# KiCad board for_real_486_rc13.kicad_pcb (continued)
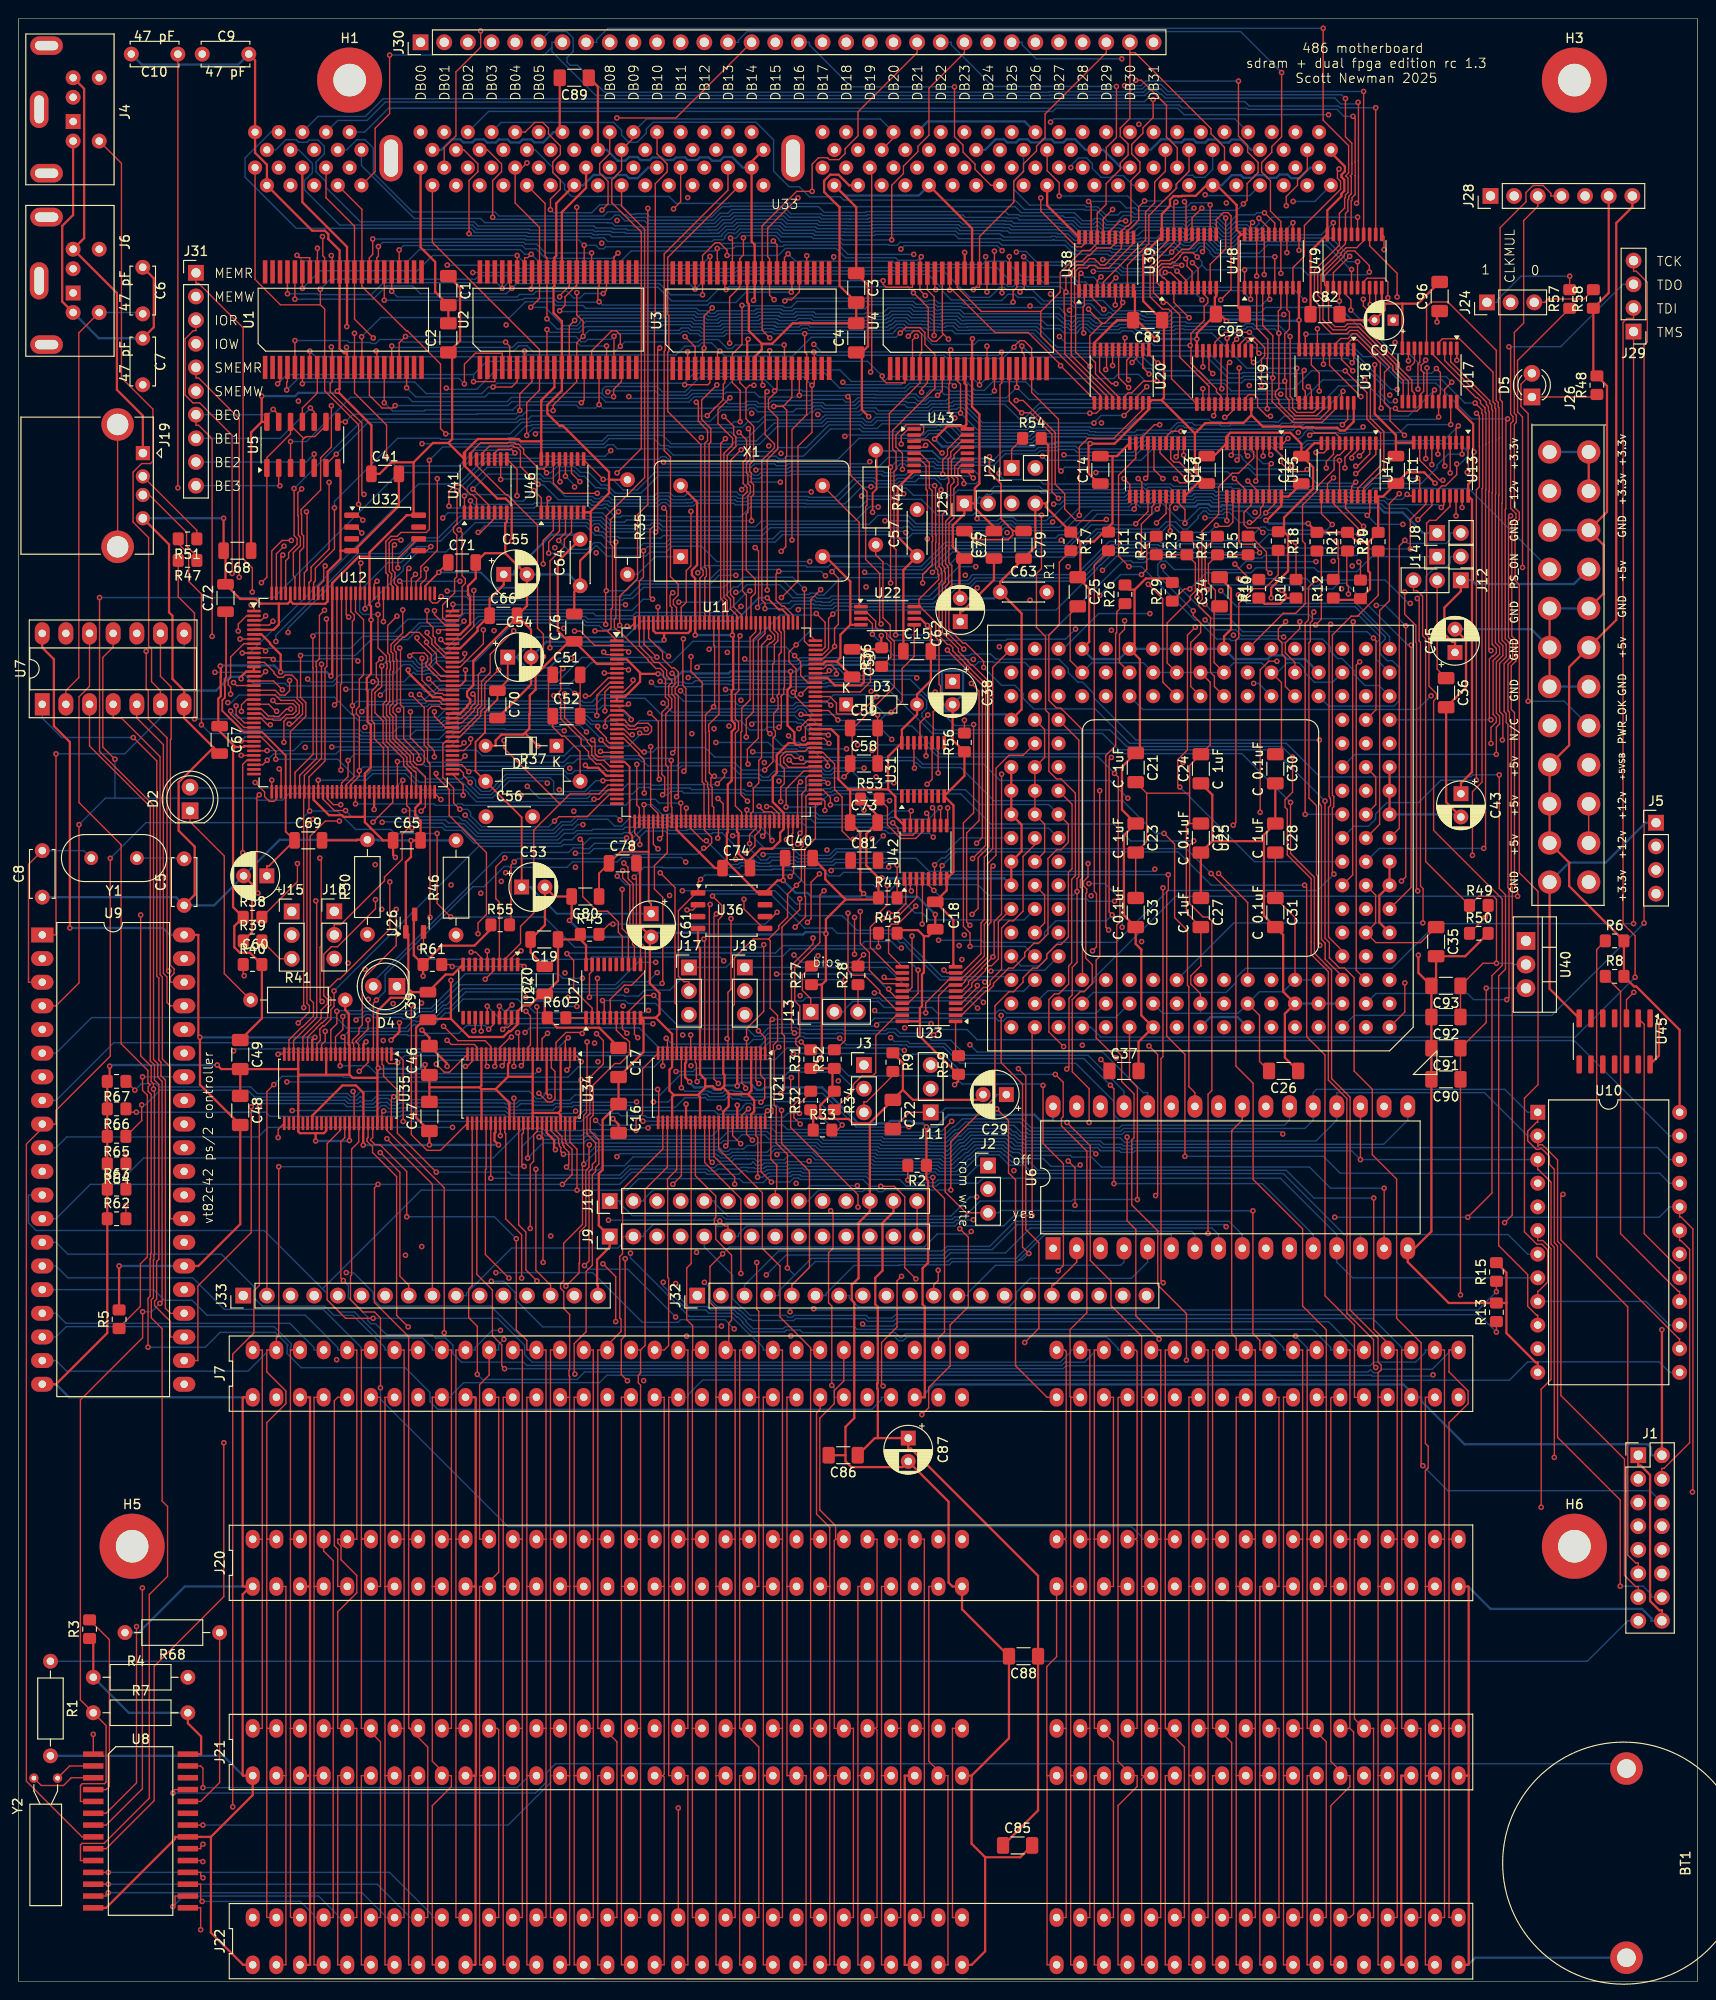
[diagram p0: board, top side]
## Routing (per net, layer and track width the routed paths; a pad name or vN(x,y) marks a point on that pad's centre or on a via; arc(x,y) is an arc through that point) (continued)
DB43: length 115.3
  Top w0.15: v1(141.84,194.68) 141.68,194.51 141.68,193.68 142.01,193.34 142.01,192.48 138.12,188.59 138.12,185.31 136.89,184.08 U48.9
  In2.Cu w0.15: v1(141.84,194.68) 142.01,194.84 142.01,199.2 v1(140.72,200.5)
  Bottom w0.15: U33.99 50.48,200.85 111.08,200.85 111.42,201.2 124.51,201.2 125.22,200.5 v1(140.72,200.5)
DB44: length 100.9
  Top w0.15: U33.100 50.37,196.72 51.88,195.21 51.88,194.39 50.92,193.43 v1(50.92,189.48) ; U48.12 v1(136.89,188.9)
  Bottom w0.15: v1(50.92,189.48) 51.14,189.26 63.6,189.26 64.05,189.72 64.53,189.72 65.15,189.1 66.47,189.1 66.5,189.13 67.21,189.13 67.53,188.81 73.92,188.81 73.93,188.82 74.75,188.82 75.51,189.57 76.35,189.57 76.75,189.97 82.34,189.97 82.81,189.5 86.05,189.5 86.24,189.31 89.27,189.31 89.29,189.29 91.24,189.29 91.33,189.39 101.27,189.39 101.55,189.11 105.99,189.11 106.04,189.06 106.68,189.06 106.9,188.84 111.98,188.84 112.06,188.76 113.14,188.76 113.84,188.06 115.78,188.06 115.85,188.13 115.91,188.13 116.4,187.63 117.96,187.63 118.05,187.54 118.15,187.54 118.24,187.46 119.59,187.46 119.68,187.55 119.7,187.52 120.23,187.52 120.78,188.08 124.83,188.08 125.18,187.72 125.28,187.72 125.29,187.71 125.33,187.71 125.54,187.5 125.58,187.5 126.21,188.12 128.14,188.12 129.19,187.08 130.1,187.08 130.14,187.03 130.23,187.03 131.18,187.98 131.69,187.98 132.03,187.64 133.09,187.64 133.11,187.66 133.3,187.66 133.59,187.95 135.95,187.95 v1(136.89,188.9)
DB45: length 96.4
  Top w0.15: 134.94,187.65 134.94,188.85 v1(133.83,189.97)
  Bottom w0.15: v1(133.83,189.97) 133.02,189.97 132.8,189.74 130.88,189.74 130.32,189.18 130.32,189.1 129.77,188.55 129.7,188.55 128.73,189.53 125.62,189.53 125.5,189.4 125.41,189.48 119.73,189.48 119.54,189.67 118.68,189.67 118.05,189.04 116.99,189.04 115.77,190.25 114.55,190.25 114.48,190.33 108.03,190.33 107.03,191.33 88.63,191.33 88.27,191.69 84.95,191.69 83.88,192.76 82.77,192.76 81.1,194.43 81.1,197.8 79.21,199.69 68.15,199.69 67.43,198.97 67.43,198.53 66.44,197.53 65.55,197.53 64.77,198.31 64.77,198.83 63.93,199.67 51.84,199.67 U33.101
DB46: length 98.1
  Top w0.15: v1(57.13,190.3) 57.13,191.42 58.19,192.48 58.19,193.51 57.38,194.32 57.38,195.42 58.19,196.23 58.19,197.15 56.92,198.43 56.92,199.06 56.31,199.67 55.45,199.67 54.41,198.63 U33.103 ; v1(133.24,189.37) 134.3,188.31 U48.16
  Bottom w0.15: v1(57.13,190.3) 57.46,189.97 61.56,189.97 62.42,190.83 64.67,190.83 65.7,189.8 66.18,189.8 66.24,189.86 67.48,189.86 67.81,189.52 74.46,189.52 75.56,190.62 76.41,190.62 76.46,190.67 82.63,190.67 82.68,190.62 85.92,190.62 86.53,190.01 89.56,190.01 89.58,189.99 90.94,189.99 91.04,190.09 106.01,190.09 106.33,189.77 107.42,189.77 107.56,189.62 112.19,189.62 112.35,189.46 113.43,189.46 114.13,188.76 115.48,188.76 115.72,189 116.04,189 116.7,188.33 118.25,188.33 118.34,188.25 118.45,188.25 118.53,188.16 119.3,188.16 119.41,188.27 119.58,188.27 120.09,188.78 125.12,188.78 125.47,188.43 125.52,188.43 125.92,188.83 128.43,188.83 129.48,187.78 129.99,187.78 130.89,188.68 131.98,188.68 132.32,188.34 132.8,188.34 133.24,188.79 v1(133.24,189.37)
DB47: length 84.9
  Top w0.15: v1(132.56,188.92) 132.34,188.71 U48.19
  Bottom w0.15: v1(132.56,188.92) 132.44,189.04 130.75,189.04 130.67,188.96 129.84,188.13 129.63,188.13 128.58,189.18 125.77,189.18 125.5,188.9 125.27,189.13 119.77,189.13 119.15,188.51 118.68,188.51 118.59,188.6 118.49,188.6 118.4,188.69 116.84,188.69 116.18,189.35 115.57,189.35 115.34,189.11 114.28,189.11 113.42,189.98 107.71,189.98 107.06,190.62 88.18,190.62 87.83,190.98 82.82,190.98 82.77,191.03 76.31,191.03 76.26,190.98 70.62,190.98 69.87,191.72 59.39,191.72 58.65,192.47 58.65,193 57.38,194.27 57.38,194.83 55.48,196.72 U33.104
DB48: length 38.8
  Top w0.15: v1(124.94,184.32) 124.93,184.31 124.11,184.31 123.88,184.08 123.57,184.08 123.51,184.13 122.95,184.13 122.61,183.79 122.61,183.32 122.95,182.98 123.04,182.98 123.45,182.56 U39.2
  In2.Cu w0.15: U33.139 104.14,196.33 103.06,195.25 103.06,194.23 103.96,193.33 103.96,188.97 v1(107.18,185.75)
  Bottom w0.15: v1(124.94,184.32) 124.78,184.48 122.8,184.48 122.29,183.97 118.7,183.97 118.18,184.49 116.82,184.49 116.7,184.37 116.22,184.37 115.91,184.68 109.35,184.68 108.2,185.82 107.25,185.82 v1(107.18,185.75)
DB49: length 33.1
  Top w0.15: v1(124.44,183.69) 125.4,182.73 U39.5
  In2.Cu w0.15: v1(107.97,185.24) 107.97,185.78 104.37,189.38 104.37,193.38 105.41,194.42 U33.140
  Bottom w0.15: v1(107.97,185.24) 108.88,184.33 115.76,184.33 116.07,184.02 116.84,184.02 116.84,184.02 117.39,184.02 117.42,184.05 118.12,184.05 118.55,183.62 122.45,183.62 122.61,183.78 122.61,183.79 122.95,184.13 124,184.13 v1(124.44,183.69)
DB50: length 30.4
  Top w0.15: v1(125.37,185.05) 125.52,184.9 125.52,184.22 126.05,183.68 U39.6
  In1.Cu w0.15: U33.141 106.68,196.37 107.72,195.33 107.72,194.81 108.78,193.74 109.73,193.74 109.96,193.97 110.93,193.97 111.76,193.15 111.76,192.69 120.13,184.32 124.12,184.32 124.85,185.05 v1(125.37,185.05)
DB51: length 37.2
  Top w0.15: U39.9 128,184.43 129.67,186.09 v1(129.67,189.41)
  Bottom w0.15: U33.142 107.95,194.46 106.91,193.42 106.91,192.47 108.6,190.79 114.52,190.79 114.7,190.61 115.92,190.61 116.8,189.72 118.07,189.72 118.41,190.07 119.65,190.07 119.88,189.83 125.43,189.83 125.48,189.88 129.19,189.88 v1(129.67,189.41)
DB52: length 25.7
  Top w0.15: U39.12 v1(128,190.81) ; v1(111.78,191.77) 111.78,193.19 110.49,194.48 U33.144
  Bottom w0.15: v1(128,190.81) 127.78,191.04 125.94,191.04 125.49,190.59 125.19,190.59 125.14,190.54 123.98,190.54 123.86,190.66 120.26,190.66 119.15,191.77 v1(111.78,191.77)
DB53: length 41.1
  Top w0.15: v1(131.58,190.93) 131.97,191.32 131.97,193.1 133.15,194.28 133.15,195.38 132.02,196.51 132.02,197.21 131.04,198.19 v1(131.04,204.11) ; U39.15 126.05,189.42 v1(127.1,190.46)
  In2.Cu w0.15: v1(118.8,203.62) 118.8,200.59 U33.149
  Bottom w0.15: v1(127.1,190.46) 127.32,190.23 130.89,190.23 v1(131.58,190.93) ; v1(118.8,203.62) 120.57,203.62 121.05,204.11 v1(131.04,204.11)
DB54: length 13.7
  Top w0.15: U39.16 125.4,191 v1(125.24,191.16)
  In1.Cu w0.15: U33.150 118.97,196.72 120.81,194.88 120.81,194.42 121.69,193.54 121.69,192.88 122.82,191.75 124.65,191.75 v1(125.24,191.16)
DB55: length 23.4
  Top w0.15: v1(121.43,184.93) 123.45,186.95 U39.19
  In2.Cu w0.15: v1(116.46,184.94) 116.94,185.43 116.94,191.22 117,191.27 117,193.27 118.18,194.45 118.18,195.13 119.38,196.33 U33.151
  Bottom w0.15: v1(116.46,184.94) 121.42,184.94 v1(121.43,184.93)
DB56: length 33.3
  Top w0.15: v1(114.41,177.05) 114.36,177.11 114.36,179.85 114.48,179.97 114.48,181.51 114.57,181.6
  In1.Cu w0.15: v1(120.34,199.48) 121.07,199.48 U33.153
  In2.Cu w0.15: v1(120.34,199.48) 120.11,199.71 119,199.71 118.23,198.95 118.23,198.51 116.65,196.92 116.65,196.09 115.8,195.25 115.8,194.35 116.63,193.52 116.63,191.4 114.7,189.47 114.7,180.19 114.36,179.85 114.36,177.11 v1(114.41,177.05)
DB57: length 17.9
  Top w0.15: U38.5 116.52,182.51 121.06,187.06 121.06,190.05 122.04,191.03 122.04,193.28 123.19,194.43 U33.154
DB58: length 20.3
  Top w0.15: 117.17,181.6 117.17,182.27 v1(117.88,182.98)
  In2.Cu w0.15: U33.155 124.46,196.48 123.4,195.43 123.4,194.68 122.15,193.43 122.15,192.9 121.12,191.87 120.77,191.87 120.36,191.46 120.36,185.46 v1(117.88,182.98)
DB59: length 17.9
  Top w0.15: U33.156 125.73,194.42 124.34,193.03 124.34,192.58 121.41,189.66 121.41,186.65 119.11,184.36 U38.9
DB60: length 16
  Top w0.15: v1(120.95,191.24) 120.33,190.61 120.33,189.19 119.11,187.98 U38.12
  Bottom w0.15: v1(120.95,191.24) 123.04,191.24 124.43,192.63 124.43,193.09 125.35,194.01 126.11,194.01 126.34,193.78 127.43,193.78 128.27,194.62 U33.158
DB61: length 22.9
  Top w0.15: v1(118.92,189.09) 118.31,189.09 117.17,187.95 117.17,187.32
  In1.Cu w0.15: v1(118.92,189.09) 127.81,189.09 v1(129.74,191.02)
  In2.Cu w0.15: U33.159 129.77,198.4 129.77,196.25 130.59,195.43 130.59,194.26 129.74,193.41 v1(129.74,191.02)
DB62: length 21
  Top w0.15: U38.16 116.52,189.32 v1(117.52,190.32)
  In1.Cu w0.15: v1(117.52,190.32) 125.22,190.32 126.04,191.14 127.51,191.14 127.76,191.39 128.23,191.39 129.33,192.49 129.33,193.1 130.63,194.39 130.63,196.54 U33.160
DB63: length 42.4
  Top w0.15: 114.57,187.32 114.57,186.7 114.18,186.31 113.65,186.31 109.81,190.16 v1(109.81,191.56)
  In2.Cu w0.15: v1(110.85,199.7) 108.78,199.7 108.15,199.07 108.15,198.06 109.02,197.19 109.02,196.13 108.14,195.25 108.14,194.23 109.1,193.28 109.1,192.27 v1(109.81,191.56)
  Bottom w0.15: v1(110.85,199.7) 111.2,200.05 130.65,200.05 U33.161
DQMB0: length 68.8
  Top w0.15: U12.82 47.39,134.18 49.3,136.09 49.3,136.59 49.73,137.02 49.73,139.64 50.66,140.57 50.66,142.54 v1(53.19,145.07)
  In1.Cu w0.15: U33.28 63.5,189.93 v1(64.29,189.14)
  In2.Cu w0.15: v1(53.19,145.07) 53.19,153.47 56.38,156.66 56.38,159.52 56.57,159.71 56.57,161.06 61.73,166.22 61.73,169.94 62.52,170.72 62.52,176.8 63.81,178.09 63.81,186.04 64.29,186.52 v1(64.29,189.14)
DQMB1: length 69
  Top w0.15: U12.83 45.85,134.68 44.66,135.87 v1(44.66,136.38)
  In2.Cu w0.15: U33.29 67.25,192.91 63.71,189.38 63.71,188.9 63.81,188.8 63.81,186.54 63.46,186.19 63.46,178.23 61.03,175.81 61.03,168.72 50.3,158 50.3,147.43 44.84,141.97 44.84,136.55 v1(44.66,136.38)
DQMB2: length 87.1
  Top w0.15: U33.46 91.65,194.61 91.65,172.98 v1(91.52,172.86) ; U12.84 47.62,135.18 48.95,136.52 48.95,136.74 49.38,137.16 49.38,140.37 v1(49.88,140.87)
  In1.Cu w0.15: v1(91.52,172.86) 89.5,170.83 88.87,170.83 88.48,170.44 88.48,169.32 74.75,155.58 70.4,155.58 67.55,152.73 66.74,152.73 66.72,152.75 64.95,152.75 64.55,152.35 64.05,152.35 63.78,152.07 63.23,152.07 62.88,151.72 59.86,151.72 54.28,146.14 52.12,146.14 v1(51.08,145.09)
  In2.Cu w0.15: v1(51.08,145.09) 51.08,142.06 v1(49.88,140.87)
DQMB3: length 87.6
  Top w0.15: v1(48.8,138.28) 49.03,138.05 49.03,137.31 48.6,136.88 48.6,136.71 47.57,135.68 U12.85
  In1.Cu w0.15: v1(85.85,168.29) 83.06,165.51 80.34,165.51 80,165.17 80,165.1 77.36,162.45 70.45,162.45 66.85,158.85 62.73,158.85 59.25,155.37 59.25,155.15 58.09,153.99 v1(57.6,153.99)
  In2.Cu w0.15: U33.47 90.71,188.37 90.71,182.13 87.96,179.38 87.96,170.4 v1(85.85,168.29) ; v1(57.6,153.99) 57.6,147.24 53.67,143.31 53.67,141.32 50.63,138.28 v1(48.8,138.28)
DQMB_HIGH: length 126.4
  Top w0.15: U33.113 66.04,197.99 U33.112 64.77,194.55 63.72,193.5 63.72,191.05 66.89,187.88 66.89,164.63 v1(64.28,162.03) ; v1(40.93,143.21) 41.02,143.12 41.02,137.14 41.37,136.79 41.37,133.45 43,131.83 v1(43,131.27) ; U33.131 93.98,197.99 U33.130 ; U12.87 45.46,136.68 45.18,136.96 44.37,136.96 43.98,136.57 43.98,132.85 44.66,132.17 v1(44.66,131.53)
  In1.Cu w0.15: v1(40.93,143.21) 40.93,143.35 43.87,146.29 46.62,146.29 48.09,147.75 48.67,147.75 50.98,150.05 53.03,150.05 53.33,150.35 53.33,151.82 62.24,160.73 63.02,160.73 64.28,161.99 v1(64.28,162.03) ; v1(43,131.27) 43.26,131.53 v1(44.66,131.53)
  Bottom w0.15: U33.131 92.57,200.04 67.45,200.04 U33.113
dram0_en: length 146.7
  Top w0.15: v1(66.41,130.72) 66.41,126.35 66.68,126.08 U11.38 ; v1(42.09,136.37) 42.09,133.57 43.57,132.09 43.57,130.97 43.3,130.69 42.76,130.69 42.42,131.03 42.42,131.75 40.56,133.61 40.56,135.97 40.56,135.97 40.22,136.31 40.22,136.79 40.64,137.21 40.64,141.95 40.56,142.03 40.56,142.77 40.36,142.97 40.36,143.45 41.26,144.35 41.44,144.35 41.98,144.89 43.02,144.89 43.82,144.1 v1(43.82,143.84) 43.82,143.63 44.88,142.57 44.88,141.63 45.83,140.68 U12.95
  In1.Cu w0.15: v1(66.41,130.72) 62.98,130.72 60.59,133.11 60.59,133.2 58.14,135.66 42.8,135.66 v1(42.09,136.37) ; v1(43.82,143.84) 44.12,143.54 46.1,143.54 51.18,148.61 54.39,148.61 58.55,152.78 62.27,152.78 62.92,153.43 64.14,153.43 67.37,156.66 73.21,156.66 77.65,161.11 78.79,161.11 81.8,164.12 v1(81.89,164.12)
  In2.Cu w0.15: v1(81.89,164.12) 81.89,166.29 83.61,168 83.61,168.5 86.15,171.05 86.15,171.79 86.43,172.07 86.43,193.18 87.75,194.51 87.75,195.21 89.26,196.72 U33.128
dram_A00: length 51
  Top w0.15: v1(78.39,166.77) 78.55,166.61 78.55,163.44 78.35,163.24 78.35,163.23 78.19,163.06 78.19,162.04 78.34,161.88 78.34,160.87 78.6,160.61 78.6,159.84 78.34,159.58 78.34,157.8 78.16,157.61 78.16,151.59 79.14,150.61 79.14,149.11 78.68,148.66 U11.119
  In2.Cu w0.15: U33.33 72.45,192.86 72.45,183.11 74.16,181.4 74.16,180.21 73.94,179.99 73.94,175.94 74.21,175.66 74.21,171.43 77.54,168.1 77.75,168.1 78.09,167.77 78.09,167.08 v1(78.39,166.77)
dram_A01: length 58.7
  Top w0.15: U11.120 78.18,148.92 77.77,149.33 77.77,159.51 78.25,159.99 78.25,160.47 77.83,160.89 77.83,163.22 78.2,163.59 78.2,165.56 v1(77.39,166.37)
  In1.Cu w0.15: v1(71.87,191.59) 71.31,192.15 71.31,193.41 72.5,194.6 72.5,195.37 73.43,196.3 73.43,197.27 72.07,198.63 U33.117
  In2.Cu w0.15: v1(71.87,191.59) 71.87,177.19 72.79,176.27 72.79,172.03 76.43,168.39 76.43,167.33 v1(77.39,166.37)
dram_A02: length 55.1
  Top w0.15: v1(77.62,164.52) 76.47,163.37 76.47,148.96 76.81,148.62 76.81,148.62 76.83,148.61 76.83,147.61 77.68,146.76 U11.121 ; U33.34 71.12,191.15 v1(70.35,190.38)
  In1.Cu w0.15: v1(73.35,165.82) 74.65,164.52 v1(77.62,164.52)
  In2.Cu w0.15: v1(73.35,165.82) 70.15,169.02 70.15,190.17 v1(70.35,190.38)
dram_A03: length 57.7
  Top w0.15: v1(75.76,168.09) 76.82,167.03 76.82,166.13 77.05,165.9 77.05,164.86 76.12,163.93 76.12,148.81 76.47,148.46 76.47,147.41 77.18,146.7 U11.122
  In2.Cu w0.15: v1(75.76,168.09) 75.1,168.75 72.8,168.75 70.54,171.01 70.54,176.94 70.94,177.34 70.94,193.33 70.04,194.23 70.04,195.25 71.52,196.72 U33.118
dram_A04: length 49.5
  Top w0.15: v1(76.41,170.09) 75.13,168.81 75.13,167.32 76.7,165.76 76.7,165.05 75.77,164.13 75.77,148.67 76.12,148.31 76.12,145.98 U11.124
  In2.Cu w0.15: U33.35 74.93,187.07 75.62,186.37 75.62,185.72 75.42,185.52 75.42,181.48 75.43,181.47 75.43,180.15 75.44,180.13 75.44,176.08 76.4,175.12 76.4,170.09 v1(76.41,170.09)
dram_A05: length 59.9
  Top w0.15: v1(75.93,165.71) 75.42,165.2 75.42,148.52 75.67,148.27 75.67,145.93 U11.125
  In2.Cu w0.15: U33.119 74.61,198.63 76.32,196.92 76.32,196.36 77.27,195.41 77.27,194.18 76.19,193.1 76.19,187.77 75.9,187.48 75.9,186.85 76.68,186.06 76.68,185.14 76.58,185.05 76.58,181.48 76.39,181.29 76.39,176.76 76.95,176.2 76.95,175.72 76.75,175.52 76.75,170.78 76.99,170.55 76.99,169.66 77.94,168.71 77.94,168.41 78.44,167.91 78.44,167.54 78.97,167.01 78.97,166.54 78.63,166.2 78.17,166.2 77.68,165.71 v1(75.93,165.71)
dram_A06: length 51
  Top w0.15: v1(75.01,171.48) 73.38,169.85 73.38,167.77 74.36,166.8 74.36,165.35 74.18,165.17 74.18,151.89 74.24,151.84 74.24,145.97 U11.128
  In2.Cu w0.15: v1(75.01,171.48) 74.69,171.79 74.69,175.75 75.09,176.15 75.09,179.99 74.87,180.21 74.87,185.5 73.66,186.71 U33.36
dram_A07: length 54.6
  Top w0.15: U11.129 73.71,145.95 73.71,150.75 73.88,150.92 73.88,151.69 73.71,151.86 73.71,165.2 74.01,165.5 74.01,166.58 73.02,167.57 73.02,169.4 v1(72.8,169.62)
  In2.Cu w0.15: v1(72.8,169.62) 72.61,169.62 70.95,171.29 70.95,171.75 71,171.81 71,176.9 71.29,177.19 71.29,193.44 72.27,194.41 72.27,194.93 74.06,196.72 U33.120
dram_A08: length 52
  Top w0.15: U33.37 69.73,185.18 69.73,179.05 69.85,178.93 69.85,175.1 69.73,174.98 69.73,168.62 73.29,165.06 73.29,151.79 73.53,151.55 73.53,151.07 73.18,150.72 U11.130
dram_A09: length 60.6
  Top w0.15: U11.134 71.18,147.59 71.72,148.13 71.72,151.53 72.22,152.03 v1(72.22,157.89)
  In2.Cu w0.15: v1(72.22,157.89) 72.22,159.93 77.6,165.31 78.24,165.31 79.32,166.39 79.32,167.16 79.09,167.39 79.09,167.95 79.33,168.18 79.33,168.79 77.73,170.38 77.73,170.88 77.57,171.03 77.57,171.04 77.46,171.15 77.46,175.23 77.66,175.43 77.66,177.78 77.13,178.31 77.13,180.26 77.22,180.35 77.22,181.13 78.44,182.34 78.44,191.98 78.54,192.07 78.54,193.37 77.67,194.23 77.67,195.4 78.54,196.27 78.54,197.31 77.22,198.63 U33.121
dram_A10: length 52.8
  Top w0.15: U11.135 70.68,147.56 70.34,147.9 70.34,148.38 70.85,148.89 70.85,150.07 70.03,150.89 70.03,163.74 69.35,164.42 69.35,175.09 69.45,175.2 69.45,178.69 69.35,178.8 69.35,185.54 76.2,192.4 U33.38
dram_A11: length 59.9
  Top w0.15: v1(70.27,149.16) 69.99,148.87 69.99,147.76 70.18,147.56 U11.136
  In2.Cu w0.15: v1(70.27,149.16) 70.27,149.76 70.01,150.02 70.01,154.4 79.65,164.04 79.65,165.32 79.67,165.33 79.67,167.31 79.44,167.53 79.44,167.8 79.68,168.04 79.68,168.99 78.21,170.47 78.21,170.9 77.81,171.3 77.81,174.93 79.06,176.18 79.06,179.15 79.7,179.78 79.52,179.96 79.52,188.72 78.89,189.35 78.89,193.34 79.81,194.26 79.81,195.33 78.89,196.24 78.89,198.48 U33.123
dram_A12: length 62.6
  Top w0.15: U11.137 69.62,145.98 69.62,157.93 v1(69.3,158.25)
  In1.Cu w0.15: v1(69.3,158.25) 70.26,157.29 72.94,157.29 v1(80.58,164.93)
  In2.Cu w0.15: U33.126 86.61,196.72 85.22,195.33 85.22,193.17 84.58,192.53 84.58,186.95 83.58,185.95 83.58,171.85 81.7,169.97 81.7,168.31 80.58,167.19 v1(80.58,164.93)
DRQ0: length 65.1
  Top w0.15: J20.71 130.8,42.42 ; 130.8,22.1 130.8,42.42 130.8,42.42 ; 130.8,22.1 130.8,1.78 J22.71 ; 130.8,22.1 J21.71 ; 130.8,42.42 130.8,62.74 J7.71
DRQ1: length 176.4
  Top w0.15: J21.18 69.21,22.1 ; J7.18 69.35,62.74 69.35,42.42 ; 69.21,22.1 69.35,21.95 69.35,1.78 J22.18 ; 69.21,22.1 69.35,22.24 69.35,42.42 ; v1(68.82,129.11) 68.72,129.21 68.72,135.31 v1(67.8,136.23) ; 69.35,42.42 J20.18 ; U46.12 v1(58.75,161.67)
  In2.Cu w0.15: v1(67.8,136.23) 67.31,136.72 67.31,152.65 59.72,160.24 v1(59.72,160.52) ; v1(68.82,129.11) 68.6,128.88 68.6,123.94 67.67,123.01 67.67,122.71 67.79,122.59 67.79,122.31 67.75,122.26 67.75,121.74 67.49,121.49 67.49,120.16 67.17,119.84 67.17,118.18 66.16,117.17 66.16,107.88 66.24,107.79 66.24,106 66.18,105.94 66.18,105.9 65.98,105.71 65.98,105.41 66.05,105.34 66.05,105.28 66.03,105.26 66.03,104.83 64.77,103.56 64.77,103.13 64.41,102.78 64.41,92.08 63.52,91.18 63.52,90.89 63.64,90.77 63.64,89.44 63.35,89.14 63.35,86.3 61.97,84.93 61.97,82.16 62.32,81.81 62.32,78.83 64.32,76.84 64.32,71.51 64.72,71.11 64.72,66.11 67.3,63.53 67.3,62.74 J7.18
  Bottom w0.15: v1(58.75,161.67) 59.72,160.69 v1(59.72,160.52)
DRQ2: length 179.9
  Top w0.15: J21.6 36.82,22.1 36.82,1.78 J22.6 ; J7.6 38.87,62.74 38.87,42.42 J20.6 ; v1(58.16,161.08) 58.09,161.15 U46.13
  In2.Cu w0.15: J7.6 36.82,62.74 36.82,70.11 35.7,71.24 35.7,75.81 35.77,75.89 35.77,89.73 36.92,90.88 36.92,97.23 39.79,100.11 40.39,100.11 41,100.72 41,101.17 45.15,105.31 45.15,118.41 49.13,122.39 49.13,125.54 51.27,127.68 51.27,130.61 53.45,132.79 53.45,137.42 59.14,143.11 59.14,160.11 v1(58.16,161.08) ; J20.6 36.82,42.42 36.82,22.1 J21.6
DRQ3: length 181.8
  Top w0.15: U46.14 57.44,160.93 58.54,159.83 v1(62.16,159.83) ; J22.16 62.22,1.78 62.22,22.1 J21.16 ; v1(70.2,140.5) 70.51,140.18 70.51,139.35 70.18,139.02 70.18,138.25 70.51,137.92 70.51,132.2 v1(70.26,131.94)
  In2.Cu w0.15: J21.16 64.27,22.1 64.27,42.42 ; J20.16 64.27,42.42 ; 64.27,42.42 64.27,61.29 62.82,62.74 ; 62.82,62.74 62.22,62.74 62.22,70.26 63.42,71.46 63.42,75.57 61.62,77.37 61.62,81.52 61.27,81.87 61.27,85.22 62.64,86.59 62.64,89.43 62.87,89.66 62.87,90.54 62.82,90.6 62.82,91.47 62.87,91.53 62.87,91.87 63.06,92.06 63.06,92.12 62.91,92.28 62.91,93.05 63.23,93.36 63.23,97.96 63.51,98.25 63.51,99.44 63.5,99.45 63.5,99.76 63.71,99.97 63.71,103.07 63.77,103.12 63.77,103.56 64.39,104.18 64.39,104.5 64.36,104.53 64.36,105.05 64.72,105.42 65.16,105.42 65.89,106.15 65.89,107.13 65.8,107.21 65.8,117.31 66.82,118.33 66.82,121.31 67.39,121.89 67.39,122.41 67.4,122.42 67.4,122.48 67.32,122.57 67.32,124.69 68.25,125.62 68.25,130.19 70,131.94 v1(70.26,131.94) ; 62.82,62.74 J7.16 ; v1(62.16,159.83) 62.16,159.32 64.47,157.01 65.11,157.01 68.05,154.07 68.05,151.48 69.69,149.84 69.69,146.95 70.42,146.23 70.42,140.72 v1(70.2,140.5)
DRQ5: length 230.8
  Top w0.15: J21.73 135.88,22.1 ; 135.88,22.1 135.88,42.42 ; 135.88,22.1 135.88,1.78 J22.73 ; v1(56.94,153.4) 56.94,154.61 58.09,155.76 U46.4 ; 135.88,42.42 135.88,42.42 135.88,62.74 J7.73 ; 135.88,42.42 J20.73 ; v1(117.73,129.75) 118.13,129.35 118.13,116.44 118.31,116.26 118.31,113.8 117.97,113.46 117.97,99.95 118.49,99.43 118.49,96.66 119.82,95.33 119.82,90.61 119.58,90.37 119.58,83.4 122.37,80.62 122.37,74.8 125.45,71.71 v1(125.45,66.72)
  In1.Cu w0.15: J7.73 135.88,62.74 135.88,62.99 134.3,64.57 127.61,64.57 v1(125.45,66.72)
  In2.Cu w0.15: v1(90.12,132.81) 89.88,132.81 86.27,136.42 86.27,147.16 84.99,148.44 v1(84.99,152.5)
  Bottom w0.15: v1(90.12,132.81) 97.47,132.81 98.76,131.52 115.96,131.52 v1(117.73,129.75) ; v1(84.99,152.5) 75.01,152.5 73.36,154.15 70.17,154.15 69.54,153.52 67.8,153.52 67.36,153.08 63.22,153.08 62.12,154.18 61.97,154.18 61.47,153.68 61.47,153.55 61.32,153.4 v1(56.94,153.4)
DRQ6: length 234.2
  Top w0.15: J21.75 142.5,22.1 ; 142.5,22.1 143.01,22.1 143.01,20.93 140.96,18.87 140.96,1.78 J22.75 ; 142.5,22.1 140.96,23.64 140.96,42.42 ; v1(58.03,154.76) 58.03,154.87 58.75,155.59 U46.5 ; J20.75 140.96,42.42 ; 140.96,42.42 140.96,62.65 141.05,62.74 J7.75
  In1.Cu w0.15: v1(98.46,138.48) 102.53,138.48 104.24,136.78 106.86,136.78 107.9,135.74 107.9,135.2 108.79,134.32 121.73,134.32 v1(125.1,130.94)
  In2.Cu w0.15: v1(98.46,138.48) 98.8,138.82 98.8,147.08 99.15,147.43 99.15,152.52 96.04,155.62 v1(95.3,155.62) ; J7.75 140.96,62.74 140.96,71.92 135.39,77.49 135.39,85.68 132.91,88.17 132.91,100.14 130.99,102.06 130.99,120.3 128.13,123.17 128.13,126.61 125.1,129.63 v1(125.1,130.94)
  Bottom w0.15: v1(95.3,155.62) 95.17,155.76 81.84,155.76 81.03,154.95 69.96,154.95 69.47,154.45 67.1,154.45 66.61,153.96 63.05,153.96 62.46,154.55 61.84,154.55 61.1,153.81 58.98,153.81 v1(58.03,154.76)
DRQ7: length 239.6
  Top w0.15: 146.04,62.74 J7.77 ; 146.04,62.74 146.04,42.42 146.04,42.42 ; 146.04,62.74 146.04,65.37 146.37,65.7 146.37,66.18 146.04,66.51 146.04,69.11 143.03,72.11 143.03,94.97 141.04,96.96 141.04,108.6 140.45,109.19 140.45,109.19 139.2,110.45 139.2,111.52 139.2,111.52 139.2,118.59 136.63,121.15 v1(136.63,126.63) ; J22.77 146.04,1.78 146.04,22.1 ; J20.77 146.04,42.42 ; 146.04,22.1 146.04,42.42 ; 146.04,22.1 J21.77 ; U46.6 59.39,155.66 58.62,154.89 58.62,154.11 57.08,152.57 v1(57.08,143.24)
  In2.Cu w0.15: v1(69.23,137.3) 69.49,137.56 69.49,140.81 69.82,141.13 v1(69.82,142.34)
  Bottom w0.15: v1(136.63,126.63) 131.39,131.87 118.1,131.87 117.78,132.18 117.3,132.18 116.99,131.87 98.93,131.87 95.95,134.85 85.97,134.85 84.62,136.2 84.62,136.33 84.28,136.66 83.81,136.66 83.47,136.33 81.53,136.33 81.53,136.33 70.2,136.33 v1(69.23,137.3) ; v1(69.82,142.34) 68.74,143.41 57.25,143.41 v1(57.08,143.24)
EADS: length 69.4
  Top w0.15: R20.2 142.68,153.56 142.68,149.98 142.85,149.81 v1(142.85,149.02) ; v1(135.17,141.8) 134.3,141.8 133.37,140.87 v1(133.37,125.57)
  In1.Cu w0.15: v1(135.17,141.8) 137.31,141.8 138.59,143.07 138.59,143.55 140.36,145.33 140.36,146.53 v1(142.85,149.02) ; U25.B17 107.9,106.3 109.38,106.3 110.25,107.16 110.25,107.6 111.48,108.84 112.17,108.84 116.95,113.62 117.86,113.62 118.05,113.82 121.62,113.82 v1(133.37,125.57)
FLUSH: length 59.3
  In2.Cu w0.15: U25.C15 110.64,106.49 110.64,95.43 109.72,94.51 109.72,89.02 104.63,83.93 103.23,83.93 v1(102.91,84.25)
  Bottom w0.15: J10.5 74.79,83.82 74.79,83.57 76.15,82.2 100.15,82.2 102.2,84.25 v1(102.91,84.25)
FPGA_ADS: length 142.2
  Top w0.15: U12.74 47.39,130.18 47.79,129.78 47.79,129.5 v1(48.51,128.77) ; U11.114 81.18,145.13 81.56,144.74 81.56,143.98 81.18,143.59 81.18,141.66 81,141.48 v1(81,137.61) ; v1(75.06,128.64) 75.83,129.41 v1(75.83,129.98) ; U23.11 93.45,110.44 93.45,113.26 93.76,113.56 94.44,113.56 v1(96.38,115.5)
  In1.Cu w0.15: v1(75.83,129.98) 75.83,132.13 78.08,134.37 79.97,134.37 80.2,134.6 81,134.6 ; v1(96.38,115.5) 96.48,115.59 96.48,118.64 92.31,122.81 92.31,122.96 90.15,125.11 86.43,125.11 84.41,127.14 84.36,127.14 83,128.5 83,129.37 83.35,129.72 83.35,132.24 81,134.58 81,134.6 ; 81,134.6 v1(81,137.61) ; v1(48.51,128.77) 45.03,132.25 36.64,132.25 31.05,137.85 28.36,137.85 27.28,138.93 9.46,138.93 5.07,143.31 U7.13
  Bottom w0.15: v1(75.06,128.64) 74.96,128.54 69.07,128.54 69.02,128.49 68.02,128.49 67.89,128.61 65.43,128.61 64.72,127.9 61.43,127.9 60.95,127.42 58.33,127.42 58.32,127.42 57.85,127.42 57.47,127.79 57.47,128.88 57.07,129.29 52.49,129.29 51.59,128.39 51.59,128.31 50.76,127.48 49.54,127.48 48.51,128.5 v1(48.51,128.77)
FPGA_BE0: length 53.6
  Top w0.15: v1(80.72,134.02) 80.4,134.34 80.4,143.45 80.74,143.78 80.88,143.78 81.21,144.12 81.21,144.6 80.68,145.13 U11.115 ; v1(89.1,114.75) 89.1,108.58 89.6,108.07 90.85,108.07 92.51,106.41 92.51,106.15 94.23,104.42 U23.18
  In2.Cu w0.15: v1(89.1,114.75) 88.7,115.14 88.7,123.5 89.19,123.99 89.19,126.63 89.27,126.72 89.27,132.05 v1(88.94,132.38)
  Bottom w0.15: v1(88.94,132.38) 86.3,132.38 86.16,132.52 83.95,132.52 83.74,132.73 82.01,132.73 v1(80.72,134.02)
FPGA_BE1: length 59.7
  Top w0.15: v1(78.36,130.74) 78.28,130.82 78.28,132.35 79.45,133.52 79.45,144.04 80.18,144.77 U11.116 ; v1(96.63,108.63) 96.63,106.13 95.57,105.07 U23.17
  In1.Cu w0.15: v1(78.36,130.74) 80.17,128.92 v1(81.67,128.92)
  In2.Cu w0.15: v1(81.67,128.92) 83.56,127.03 83.56,123.77 83.36,123.56 83.36,123.09 83.7,122.75 83.91,122.75 84.4,122.26 84.4,118.29 84.49,118.19 84.49,116.05 82.82,114.38 82.82,110.72 v1(83.29,110.25)
  Bottom w0.15: v1(96.63,108.63) 95.8,109.45 84.08,109.45 v1(83.29,110.25)
FPGA_BE2: length 56.8
  Top w0.15: U11.117 79.68,144.89 78.93,144.13 78.93,136.35 78.17,135.59 v1(78.17,133.65) ; v1(93.47,106.59) 93.47,106.45 94.2,105.72 U23.16
  In1.Cu w0.15: v1(80.1,130.91) 80.1,131.72 v1(78.17,133.65)